# Altium PCB Evaluation Board.PcbDoc (part 1 of 22) (continued)
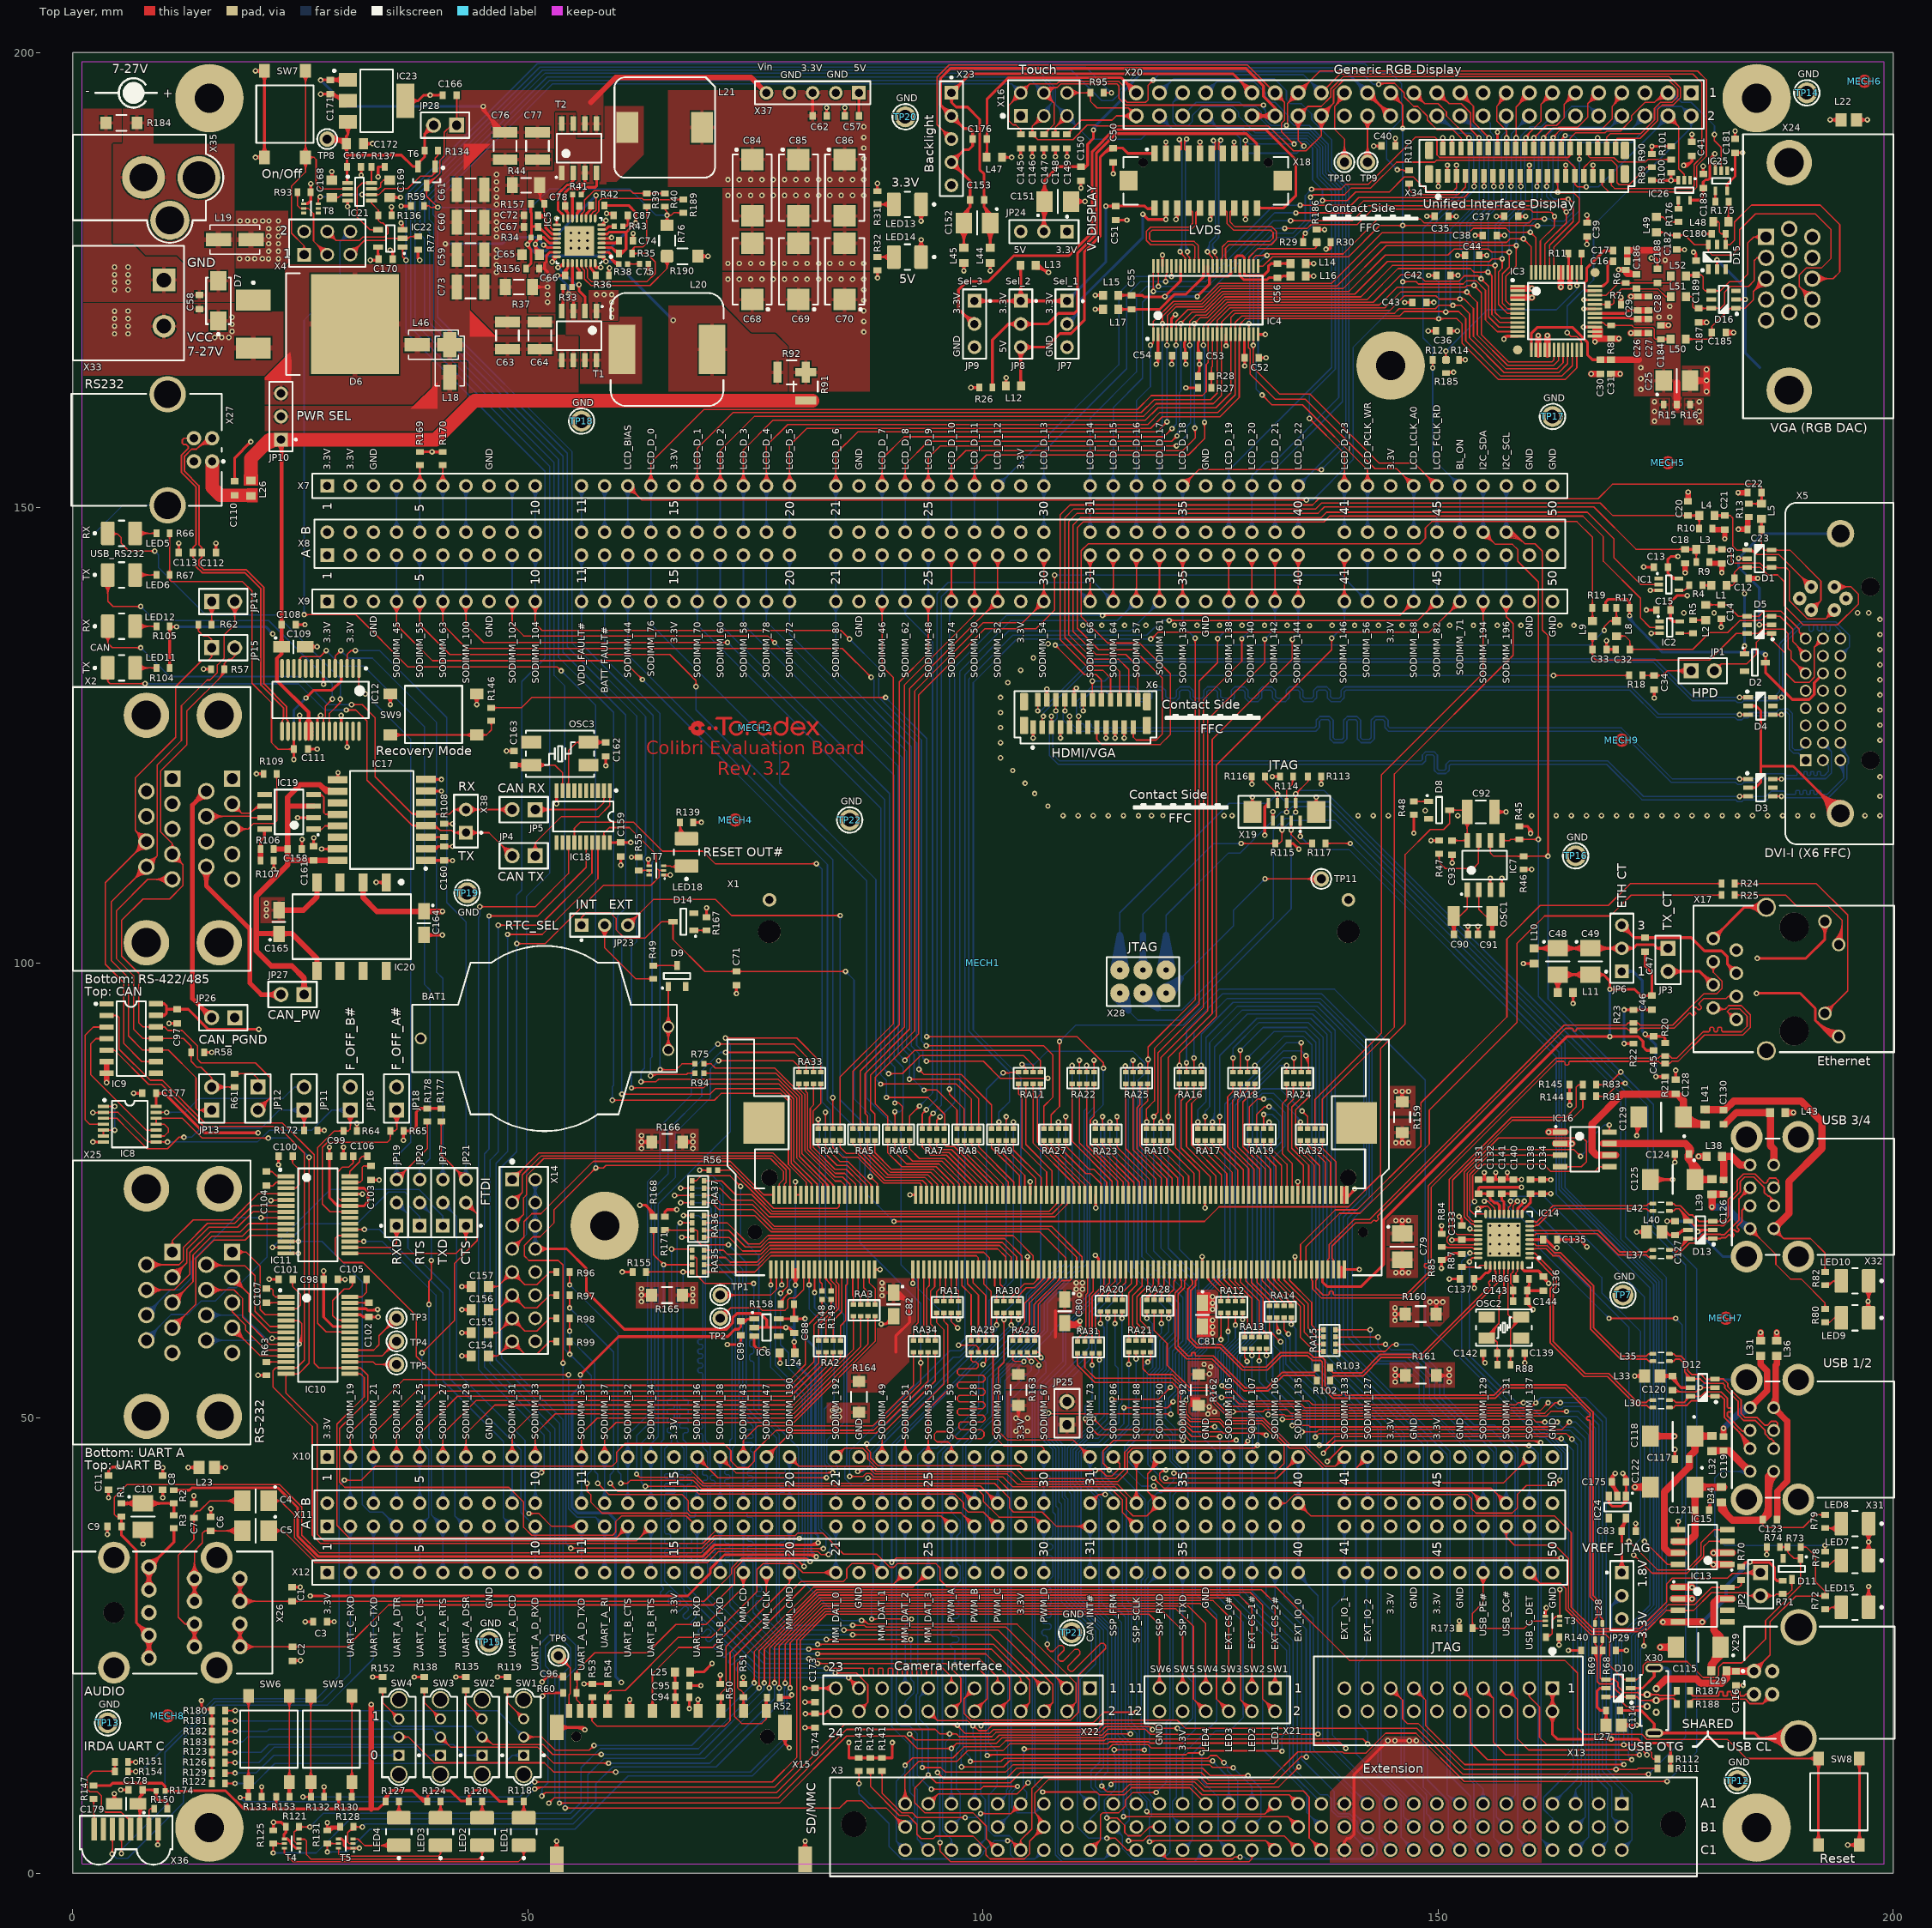
[diagram p0: Top Layer view]
## Components (designator, comment, footprint, x,y, rotation, side; value= is the part's Value field where it differs from the comment) (continued)
C164 "4.7uF" T_CAPMP3216X180N 38.564,104.364 r270 top
C165 "1uF" T_CAPMP3216X180N 22.635,104.489 r90 top
C166 "1uF" T_CAPC0603X33N 41.402,195.326 r0 top
C167 "100nF" T_CAPC0603X33N 30.891,187.452 r180 top
C168 "330nF" T_CAPC0805X125N 28.448,185.034 r270 top
C169 "330nF" T_CAPC0805X125N 34.798,185.034 r90 top
C170 "100nF" T_CAPC0603X33N 34.366,177.292 r0 top
C171 "100nF" T_CAPC0603X33N 28.294,196.219 r90 top
C172 "10uF" T_CAPC0805X125N 30.988,189.992 r180 top
C173 "100nF" T_CAPC0603X33N 81.534,19.558 r90 top
C174 "100nF" T_CAPC0603X33N 81.534,16.764 r90 top
C175 "1uF" T_CAPC0603X33N 169.87,43.008 r0 top
C176 "100nF" T_CAPC0603X33N 99.625,190.5 r0 top
C177 "100nF" T_CAPC0603X33N 8.369,85.675 r0 top
C178 "100nF" T_CAPC0603X33N 6.867,9.144 r0 top
C179 "4.7uF" T_CAPMP3216X180N 5.842,7.62 r180 top
C180 "47pF" T_CAPC0603X33N 180.814,180.086 r180 top
C181 "100nF" T_CAPC0603X33N 182.626,189.767 r270 top
C182 "47pF" T_CAPC0603X33N 176.225,179.125 r270 top
C183 "100nF" T_CAPC0603X33N 179.12,185.899 r270 top
C184 "10pF" T_CAPC0603X33N 174.475,169.268 r90 top
C185 "10pF" T_CAPC0603X33N 180.848,169.252 r0 top
C186 "10pF" T_CAPC0603X33N 171.803,174.85 r90 top
C187 "10pF" T_CAPC0603X33N 178.641,171.126 r270 top
C188 "10pF" T_CAPC0603X33N 174.089,175.467 r90 top
C189 "10pF" T_CAPC0603X33N 178.316,176.351 r90 top
D1 "RCLAMP0504S" T_SOT95P285X90-6N 185.291,144.4 r0 top
D2 "BAT54" SOT95P230X110-3N 184.816,132.997 r0 top
D3 "RCLAMP0504S" T_SOT95P285X90-6N 185.42,119.245 r0 top
D4 "RCLAMP0504S" T_SOT95P285X90-6N 185.42,128.217 r0 top
D5 "RCLAMP0504S" T_SOT95P285X90-6N 185.291,137.137 r180 top
D6 "MBRB735PBF" T_VISHAY_MBRB735PBF 25.4,170.18 r0 top locked
D7 "D-Littelfuse-SMAJ30CA-Schottky" T_LITTLEFUSE_SMAJ30CA 15.979,172.72 r90 top
D8 "BAT54" SOT95P230X110-3N 150.114,116.782 r0 top
D9 "BAT54" SOT95P230X110-3N 66.366,98.552 r90 top
D10 "RCLAMP0504S" T_SOT95P285X90-6N 169.796,20.319 r180 top
D11 "BAT54" SOT95P230X110-3N 188.856,33.431 r270 top
D12 "RCLAMP0504S" T_SOT95P285X90-6N 179.07,53.34 r180 top locked
D13 "RCLAMP0504S" T_SOT95P285X90-6N 178.816,70.663 r180 top locked
D14 "BAT54" SOT95P230X110-3N 67.081,104.521 r180 top
D15 "RCLAMP0504S" T_SOT95P285X90-6N 180.639,177.546 r90 top
D16 "RCLAMP0504S" T_SOT95P285X90-6N 181.356,172.876 r180 top
IC1 "SN74LVC1G17" SOT65P210X110-5N 175.334,141.57 r0 top
IC2 "SN74LVC1G17" SOT65P210X110-5N 175.434,136.852 r0 top
IC3 "ADV7125KSTZ140" QFP50P900X900X120-48N 162.981,171.592 r0 top locked
IC4 "DS90C363BMT" SOP50P810X120-48N 124.46,172.796 r90 top locked
IC5 "TPS51120" QFN50P500X500X100-33N 55.626,179.324 r180 top locked
IC6 "NCP511SN33T1G" SOT95P279X142-5N 76.2,59.944 r0 top locked
IC7 "M41T0M6" SOIC127P600X173-8N 155.092,110.736 r90 top
IC8 "M74HC02TTR" T_ST_M74HC02TTR 6.244,82.275 r0 top
IC9 "ADM3491ARZ" SOIC127P600X175-14N 6.405,91.689 r0 top
IC10 "SN65C3243" SOP65P780X200-28N 26.919,59.081 r0 top
IC11 "SN65C3243" SOP65P780X200-28N 26.919,72.32 r0 top
IC12 "FT232RL" T_FTDI_FT232RL 27.2,128.896 r270 top locked
IC13 "TPS2042BD" SOIC127P600X173-8N 179.07,29.494 r0 top
IC14 "USB2514B" T_SMSC_USB2514B-AEZC 157.227,69.595 r180 top locked
IC15 "TPS2052BD" SOIC127P600X173-8N 179.07,35.814 r180 top locked
IC16 "TPS2052BD" SOIC127P600X173-8N 166.116,79.502 r0 top
IC17 "ADuM1301ARW" T_AD_ADUM1300ARW 33.933,115.697 r180 top
IC18 "MCP2515" T_MC_MCP2515T-I/ST 56.066,116.078 r180 top
IC19 "MCP2551T-I/SN" SOIC127P600X173-8N 23.747,116.586 r180 top
IC20 "NTE0505MC-R" T_MURATA_NTE0505MC-R 30.624,103.973 r270 top
IC21 "LTC2954CTS8-2#PBF" T_LINEAR_LTC2954CTS8-2#PBF 31.496,184.709 r270 top
IC22 "NC7SZ126M5X" SOT95P279X142-5N 34.874,179.578 r180 top
IC23 "NCV4264-2ST50T3G" T_ON_NCV4264-2ST50T3G 33.366,194.695 r0 top
IC24 "NCP603SN180T1G" T_ON_NCP603SN180T1G 169.695,40.214 r270 top
IC25 "SN74LVC1G17" SOT65P210X110-5N 181.102,185.901 r270 top
IC26 "SN74LVC1G17" SOT65P210X110-5N 177.038,184.885 r270 top
JP1 "TSW-101-07-G-D" T_Samtec_TSW-101-07-G-D 177.8,132.08 r270 top
JP2 "TSW-101-07-G-D" T_Samtec_TSW-101-07-G-D 185.42,33.02 r180 top
JP3 "TSW-101-07-G-D" T_Samtec_TSW-101-07-G-D 175.26,101.6 r180 top
JP4 "TSW-101-07-G-D" T_Samtec_TSW-101-07-G-D 50.8,111.76 r90 top
JP5 "TSW-101-07-G-D" T_Samtec_TSW-101-07-G-D 50.8,116.84 r90 top
JP6 "826936-3" T_TYCO_826936-3 170.18,99.06 r90 top
JP7 "826936-3" T_TYCO_826936-3 109.22,172.72 r270 top
JP8 "826936-3" T_TYCO_826936-3 104.14,172.72 r270 top
JP9 "826936-3" T_TYCO_826936-3 99.06,172.72 r270 top
JP10 "826936-3" T_TYCO_826936-3 22.86,157.48 r90 top
JP11 "TSW-101-07-G-D" T_SAMTEC_TSW-101-07-G-D 25.4,83.82 r0 top
JP12 "TSW-101-07-G-D" T_SAMTEC_TSW-101-07-G-D 20.32,86.36 r180 top
JP13 "TSW-101-07-G-D" T_SAMTEC_TSW-101-07-G-D 15.24,83.82 r0 top
JP14 "TSW-101-07-G-D" T_SAMTEC_TSW-101-07-G-D 15.24,139.7 r270 top
JP15 "TSW-101-07-G-D" T_SAMTEC_TSW-101-07-G-D 15.24,134.62 r270 top
JP16 "TSW-101-07-G-D" T_SAMTEC_TSW-101-07-G-D 30.48,83.82 r0 top
JP17 "826936-3" T_TYCO_826936-3 40.64,71.12 r90 top
JP18 "TSW-101-07-G-D" T_SAMTEC_TSW-101-07-G-D 35.56,83.82 r0 top
JP19 "826936-3" T_TYCO_826936-3 35.56,71.12 r90 top
JP20 "826936-3" T_TYCO_826936-3 38.1,71.12 r90 top
JP21 "826936-3" T_TYCO_826936-3 43.18,71.12 r90 top
JP23 "826936-3" T_TYCO_826936-3 55.88,104.14 r0 top
JP24 "826936-3" T_TYCO_826936-3 109.22,180.34 r180 top
JP25 "TSW-101-07-G-D" T_SAMTEC_TSW-101-07-G-D 109.22,49.254 r0 top locked
JP26 "TSW-101-07-G-D" T_Samtec_TSW-101-07-G-D 17.78,93.98 r90 top
JP27 "TSW-101-07-G-D" T_Samtec_TSW-101-07-G-D 25.4,96.52 r90 top
JP28 "TSW-101-07-G-D" T_SAMTEC_TSW-101-07-G-D 42.164,192.024 r90 top
JP29 "826936-3" T_TYCO_826936-3 170.18,33.02 r270 top
L1 "220R@100MHz" INDC1608X95N 180.848,141.478 r0 top
L2 "220R@100MHz" INDC1608X95N 179.395,138.492 r90 top
L3 "40R@100MHz" INDC1608X95N 179.198,145.432 r0 top
L4 "40R@100MHz" INDC1608X95N 179.523,149.135 r0 top
L5 "40R@100MHz" INDC1608X95N 185.541,149.602 r270 top
L8 "220R@100MHz" INDC1608X95N 169.579,136.721 r270 top
L9 "220R@100MHz" INDC1608X95N 166.948,136.721 r270 top
L10 "220R@100MHz" INDC1608X95N 160.561,100.762 r90 top
L11 "220R@100MHz" INDC1608X95N 163.984,96.749 r180 top
L12 "220R@100MHz" INDC1608X95N 103.34,163.375 r0 top
L13 "220R@100MHz" INDC1608X95N 104.94,176.637 r180 top
L14 "220R@100MHz" INDC1608X95N 134.62,176.829 r0 top
L15 "220R@100MHz" INDC1608X95N 114.021,173.343 r180 top
L16 "220R@100MHz" INDC1608X95N 134.62,175.454 r180 top
L17 "220R@100MHz" INDC1608X95N 114.021,171.793 r0 top
L18 "36R@100MHz" T_LAIRD_35F0121-0SR-10 41.402,166.116 r90 top
L19 "36R@100MHz" T_LAIRD_35F0121-0SR-10 17.78,179.456 r0 top
L20 "8.2uH" T_INDM120120X80N 65.278,167.386 r270 top locked
L21 "4.7uH" T_INDM102102X45N 65.024,191.77 r270 top locked
L22 "39R@100MHz" INDC2013X130N 195.115,192.615 r0 top
L23 "39R@100MHz" INDC2013X130N 14.706,44.573 r0 top
L24 "220R@100MHz" INDC1608X95N 78.486,57.15 r180 top
L25 "220R@100MHz" INDC1608X95N 66.976,22.098 r0 top
L26 "220R@100MHz" INDC1608X95N 19.558,152.14 r90 top
L27 "39R@100MHz" INDC2013X130N 169.296,16.256 r0 top
L28 "90R@100MHz" T_MURATA_DLW21SN900SQ2 167.64,26.544 r270 top
L29 "220R@100MHz" INDC1608X95N 180.848,22.244 r0 top
L30 "90R@100MHz" T_MURATA_DLW21SN900SQ2 174.498,51.562 r0 top
L31 "220R@100MHz" INDC1608X95N 185.42,57.658 r270 top
L32 "220R@100MHz" INDC1608X95N 180.086,47.206 r270 top
L33 "39R@100MHz" INDC2013X130N 173.527,54.61 r0 top
L34 "220R@100MHz" INDC1608X95N 181.123,41.578 r270 top
L35 "90R@100MHz" T_MURATA_DLW21SN900SQ2 174.498,56.642 r0 top
L36 "220R@100MHz" INDC1608X95N 187.198,57.658 r270 top
L37 "90R@100MHz" T_MURATA_DLW21SN900SQ2 174.498,68.072 r0 top
L38 "220R@100MHz" INDC1608X95N 180.34,78.74 r0 top
L39 "220R@100MHz" INDC1608X95N 180.086,75.4 r270 top
L40 "39R@100MHz" INDC2013X130N 173.736,70.433 r0 top
L41 "220R@100MHz" INDC1608X95N 179.324,83.058 r90 top
L42 "90R@100MHz" T_MURATA_DLW21SN900SQ2 174.498,73.152 r0 top
L43 "220R@100MHz" INDC1608X95N 187.31,83.557 r180 top
L44 "220R@100MHz" INDC1608X95N 100.789,177.724 r90 top
L45 "220R@100MHz" INDC1608X95N 97.889,177.724 r90 top
L46 "36R@100MHz" T_LAIRD_35F0121-0SR-10 39.624,167.894 r0 top
L47 "220R@100MHz" INDC1608X95N 101.238,188.488 r180 top
L48 "220R@100MHz" INDC1608X95N 181.062,181.406 r180 top
L49 "220R@100MHz" INDC1608X95N 173.99,181.102 r270 top
L50 "40R@100MHz" INDC1608X95N 176.375,168.506 r0 top
L51 "40R@100MHz" INDC1608X95N 176.395,173.197 r0 top
L52 "40R@100MHz" INDC1608X95N 176.395,175.454 r0 top
LED1 "LG T670-K1L2-1" T_OSRAM_T670_GREEN 49.53,4.572 r270 top
LED2 "LG T670-K1L2-1" T_OSRAM_T670_GREEN 44.958,4.572 r270 top
LED3 "LG T670-K1L2-1" T_OSRAM_T670_GREEN 40.386,4.572 r270 top
LED4 "LG T670-K1L2-1" T_OSRAM_T670_GREEN 35.814,4.572 r270 top
LED5 "LG T670-K1L2-1" T_OSRAM_T670_GREEN 5.334,147.187 r180 top
LED6 "LS T670-K1L2-1" T_OSRAM_T670_RED 5.334,142.615 r180 top
LED7 "LG T670-K1L2-1" T_OSRAM_T670_GREEN 195.794,34.355 r0 top
LED8 "LG T670-K1L2-1" T_OSRAM_T670_GREEN 195.794,38.396 r0 top
LED9 "LG T670-K1L2-1" T_OSRAM_T670_GREEN 195.794,61.002 r0 top
LED10 "LG T670-K1L2-1" T_OSRAM_T670_GREEN 195.794,65.066 r0 top
LED11 "LS T670-K1L2-1" T_OSRAM_T670_RED 5.334,132.404 r180 top
LED12 "LG T670-K1L2-1" T_OSRAM_T670_GREEN 5.334,136.976 r180 top
LED13 "LG T670-K1L2-1" T_OSRAM_T670_GREEN 91.694,183.326 r0 top
LED14 "LG T670-K1L2-1" T_OSRAM_T670_GREEN 91.694,177.538 r0 top
LED15 "LG T670-K1L2-1" T_OSRAM_T670_GREEN 195.794,29.21 r0 top
LED18 "LS T670-K1L2-1" T_OSRAM_T670_RED 67.412,112.141 r270 top
MECH1 "MECH-PCB" PCB 0,0 r0 top locked
MECH2 "MECH-Toradex_Logo" T_TORADEX_LOGO 74.97,125.822 r0 top
MECH4 "MECH-Fiducial" T_FIDUCIAL 72.771,115.697 r90 top
MECH5 "MECH-Fiducial" T_FIDUCIAL 175.26,154.94 r90 top
MECH6 "MECH-Fiducial" T_FIDUCIAL 196.85,196.85 r90 top
MECH7 "MECH-Fiducial" T_Fiducial 181.61,60.96 r90 top
MECH8 "MECH-Fiducial" T_FIDUCIAL 10.414,17.272 r90 top
MECH9 "MECH-Fiducial" T_FIDUCIAL 170.18,124.46 r90 top
OSC1 "CC4V-T1A" T_MC_CC4V-T1A 153.822,105.148 r180 top
OSC2 "HEX24-24000MHz-18-50R-F-H2-T2-W2-T" T_HORIZON-HEX24 157.227,59.932 r0 top
OSC3 "12SMX (B) 30/5020/16" T_RAKON_12SMX 53.502,122.977 r180 top
R1 "2.2K" T_RESC0603X30N 5.334,39.898 r270 top
R2 "100R" T_RESC0603X30N 11.093,41.348 r90 top
R3 "2.2K" T_RESC0603X30N 11.093,38.608 r270 top
R4 "33R" T_RESC0603X30N 178.308,141.478 r0 top
R5 "33R" T_RESC0603X30N 177.99,136.927 r90 top
R6 "75R" T_RESC0603X30N 170.597,175.417 r270 top
R7 "75R" T_RESC0603X30N 169.367,172.329 r180 top
R8 "75R" T_RESC0603X30N 168.99,169.306 r90 top
R9 "150R" T_RESC0603X30N 179.083,144.016 r0 top
R10 "150R" T_RESC0603X30N 179.408,147.719 r0 top
R11 "560R" T_RESC0603X30N 165.013,177.942 r0 top
R12 "0R" T_RESC0603X30N 150.125,166.25 r0 top
R13 "150R" T_RESC0603X30N 184.125,149.717 r270 top
R14 "100K" T_RESC0603X30N 151.575,166.25 r180 top
R15 "0R" T_RESC0603X30N 175.5,161.32 r0 top
R16 "0R" T_RESC0603X30N 176.95,161.32 r180 top
R17 "1.8K" T_RESC0603X30N 170.304,139.007 r180 top
R18 "1K" T_RESC0603X30N 171.704,131.572 r0 top
R19 "1.8K" T_RESC0603X30N 167.673,139.007 r180 top
R20 "50R" T_RESC0603X30N 174.928,90.49 r270 top
R21 "50R" T_RESC0603X30N 174.928,88.23 r270 top
R22 "50R" T_RESC0603X30N 171.45,91.862 r90 top
R23 "50R" T_RESC0603X30N 171.45,94.122 r90 top
R24 "150R" T_RESC0603X30N 181.864,108.712 r0 top
R25 "150R" T_RESC0603X30N 181.864,107.442 r0 top
R26 "0R" T_RESC0603X30N 100.293,163.2 r0 top
R27 "0R" T_RESC0603X30N 124.364,163.17 r180 top
R28 "1K" T_RESC0603X30N 124.364,164.44 r0 top
R29 "0R" T_RESC0603X30N 135.89,179.172 r0 top
R30 "0R" T_RESC0603X30N 137.44,179.172 r180 top
R31 "120R" T_RESC0603X30N 88.392,184.051 r270 top
R32 "220R" T_RESC0603X30N 88.392,176.807 r90 top
R33 "4.7R" RESC1005X40N 54.356,174.244 r180 top
R34 "4.7R" RESC1005X40N 50.8,179.708 r0 top
R35 "100K" T_RESC0603X30N 60.706,177.931 r180 top
R36 "0R" T_RESC0603X30N 58.166,175.514 r180 top
R37 "15mR" RESC3316X76N 48.997,174.244 r180 top
R38 "6.2K" RESC1005X40N 60.452,176.784 r180 top
R39 "0R" T_RESC0603X30N 63.05,183.81 r90 top
R40 "0R" T_RESC0603X30N 65.024,183.81 r90 top
R41 "4.7R" RESC1005X40N 55.372,184.404 r0 top
R42 "100K" T_RESC0603X30N 57.658,183.209 r0 top
R43 "10K" RESC1005X40N 59.944,180.9 r180 top
R44 "24mR" RESC3316X76N 49.784,185.42 r180 top
R45 "4.7K" T_RESC0603X30N 158.902,114.292 r90 top
R46 "4.7K" T_RESC0603X30N 159.377,110.99 r270 top
R47 "100K" T_RESC0603X30N 150.114,112.711 r90 top
R48 "470R" T_RESC0603X30N 147.32,117.007 r270 top
R49 "10R" T_RESC0603X30N 63.754,98.977 r270 top
R50 "33K" T_RESC0603X30N 71.12,20.066 r90 top
R51 "68K" T_RESC0603X30N 73.66,20.066 r90 top
R52 "68K" T_RESC0603X30N 76.962,19.304 r0 top
R53 "68K" T_RESC0603X30N 57.056,20.066 r90 top
R54 "68K" T_RESC0603X30N 58.756,20.066 r90 top
R55 "100K" T_RESC0603X30N 62.151,110.888 r90 top
R56 "22R" RESC1005X40N 70.358,77.216 r180 top
R57 "680R" T_RESC0603X30N 15.916,132.275 r180 top
R58 "680R" T_RESC0603X30N 13.706,90.175 r180 top
R59 "10K" T_RESC0603X30N 37.846,183.134 r0 top
R60 "10K" T_RESC0603X30N 54.61,19.812 r180 top
R61 "120R" T_RESC0603X30N 17.78,87.085 r90 top
R62 "120R" T_RESC0603X30N 14.515,137.16 r180 top
R63 "100K" T_RESC0603X30N 21.247,55.431 r90 top
R64 "100K" T_RESC0603X30N 30.48,81.534 r0 top
R65 "100K" T_RESC0603X30N 35.596,81.534 r180 top
R66 "120R" T_RESC0603X30N 9.906,147.187 r0 top
R67 "120R" T_RESC0603X30N 9.906,142.615 r0 top
R68 "15K" T_RESC0603X30N 168.808,24.475 r180 top
R69 "15K" T_RESC0603X30N 166.446,24.475 r0 top
R70 "100K" T_RESC0603X30N 183.302,32.941 r90 top
R71 "100K" T_RESC0603X30N 187.84,31.399 r270 top
R72 "330R" T_RESC0603X30N 192.503,29.718 r90 top
R73 "560R" T_RESC0603X30N 189.11,35.819 r0 top
R74 "1K" T_RESC0603X30N 186.824,35.819 r0 top
R75 "22R" RESC1005X40N 68.834,88.9 r180 top
R76 "0R" T_RESC3216X760N 65.278,179.324 r270 top
R77 "100K" T_RESC0603X30N 37.922,179.07 r270 top
R78 "330R" T_RESC0603X30N 192.503,34.609 r90 top
R79 "330R" T_RESC0603X30N 192.503,38.65 r90 top
R80 "330R" T_RESC0603X30N 192.503,61.256 r90 top
R81 "0R" T_RESC0603X30N 166.623,85.345 r180 top
R82 "330R" T_RESC0603X30N 192.503,65.32 r90 top
R83 "0R" T_RESC0603X30N 166.623,86.615 r180 top
R84 "100K" T_RESC0603X30N 150.368,69.522 r90 top
R85 "100K" T_RESC0603X30N 150.368,68.072 r270 top
R86 "12K" T_RESC0603X30N 159.259,65.266 r180 top
R87 "100K" T_RESC0603X30N 152.612,67.31 r270 top
R88 "1MR" T_RESC0603X30N 157.227,55.868 r0 top
R89 "0R" T_RESC0603X30N 173.482,186.69 r270 top
R90 "0R" T_RESC0603X30N 173.482,188.14 r270 top
R91 "0R" T_RESC3225X30N 80.51,163.322 r90 top
R92 "0R" T_RESC3225X30N 78.96,164.872 r0 top
R93 "100K" T_RESC0603X30N 25.4,184.658 r180 top
R94 "22R" RESC1005X40N 68.834,87.884 r180 top
R95 "0R" T_RESC0603X30N 112.522,195.58 r180 top
R96 "10K" T_RESC0603X30N 53.848,66.04 r180 top
R97 "10K" T_RESC0603X30N 53.848,63.5 r180 top
R98 "10K" T_RESC0603X30N 53.848,60.96 r180 top
R99 "10K" T_RESC0603X30N 53.848,58.42 r180 top
R100 "0R" T_RESC0603X30N 175.626,187.526 r270 top
R101 "0R" T_RESC0603X30N 175.626,188.976 r90 top
R102 "0R" T_RESC0603X30N 137.414,54.1 r0 top
R103 "0R" T_RESC0603X30N 137.414,55.529 r0 top
R104 "120R" T_RESC0603X30N 9.906,132.404 r180 top
R105 "120R" T_RESC0603X30N 9.906,136.976 r180 top
R106 "0R" T_RESC0603X30N 21.342,112.505 r0 top
R107 "0R" T_RESC0603X30N 21.342,111.235 r180 top
R108 "100K" T_RESC0603X30N 40.791,114.554 r90 top
R109 "100R" T_RESC0603X30N 21.675,120.775 r180 top
R110 "0R" T_RESC0603X30N 146.812,186.324 r270 top
R111 "100K" T_RESC0603X30N 174.808,11.514 r0 top
R112 "100K" T_RESC0603X30N 174.808,12.53 r0 top
R113 "100K" T_RESC0603X30N 136.419,120.467 r180 top
R114 "100K" T_RESC0603X30N 133.335,120.467 r0 top
R115 "100K" T_RESC0603X30N 132.842,113.113 r180 top
R116 "100K" T_RESC0603X30N 130.252,120.467 r0 top
R117 "22R" T_RESC0603X30N 136.881,113.113 r180 top
R118 "120R" T_RESC0603X30N 48.805,7.874 r180 top
R119 "100R" T_RESC0603X30N 47.752,20.828 r90 top
R120 "120R" T_RESC0603X30N 44.233,7.874 r180 top
R121 "100K" T_RESC0603X30N 24.13,5.08 r0 top
R122 "100R" T_RESC0603X30N 15.986,9.859 r0 top
R123 "100R" T_RESC0603X30N 15.986,13.287 r0 top
R124 "120R" T_RESC0603X30N 39.661,7.874 r180 top
R125 "100K" T_RESC0603X30N 21.996,3.976 r270 top
R126 "100R" T_RESC0603X30N 15.986,12.144 r0 top
R127 "120R" T_RESC0603X30N 35.089,7.874 r180 top
R128 "100K" T_RESC0603X30N 30.1,5.08 r0 top
R129 "100R" T_RESC0603X30N 15.986,11.001 r0 top
R130 "10R" T_RESC0603X30N 29.921,8.382 r180 top
R131 "100K" T_RESC0603X30N 27.94,3.976 r270 top
R132 "10K" T_RESC0603X30N 26.873,8.382 r180 top
R133 "10K" T_RESC0603X30N 20.015,8.382 r180 top
R134 "100K" T_RESC0603X30N 39.37,189.23 r180 top
R135 "100R" T_RESC0603X30N 43.18,20.828 r90 top
R136 "10K" T_RESC0603X30N 34.29,182.118 r180 top
R137 "10K" T_RESC0603X30N 33.528,187.452 r180 top
R138 "100R" T_RESC0603X30N 38.608,20.828 r90 top
R139 "120R" T_RESC0603X30N 67.412,115.443 r0 top
R140 "100K" T_RESC0603X30N 162.56,25.937 r0 top
R141 "100K" T_RESC0603X30N 88.9,11.938 r90 top
R142 "100K" T_RESC0603X30N 87.63,11.938 r90 top
R143 "100K" T_RESC0603X30N 86.36,11.938 r90 top
R144 "100K" T_RESC0603X30N 165.173,85.345 r180 top
R145 "100K" T_RESC0603X30N 165.173,86.615 r180 top
R146 "10K" T_RESC0603X30N 45.974,127.305 r90 top
R147 "22R" T_RESC0603X30N 2.278,8.89 r270 top
R148 "22R" RESC1005X40N 82.296,63.5 r270 top
R149 "22R" RESC1005X40N 83.312,63.5 r270 top
R150 "0R" T_RESC0603X30N 9.652,7.087 r180 top
R151 "100K" T_RESC0603X30N 5.334,12.209 r180 top
R152 "100R" T_RESC0603X30N 34.036,20.828 r90 top
R153 "10R" T_RESC0603X30N 23.063,8.382 r180 top
R154 "0R" T_RESC0603X30N 5.334,11.193 r0 top
R155 "100K" T_RESC0603X30N 62.23,66.05 r180 top
R156 "3.6K" T_RESC0603X30N 50.521,176.268 r180 top
R157 "3.3K" T_RESC0603X30N 51.054,183.388 r180 top
R158 "0R" T_RESC0603X30N 78.486,62.484 r180 top
R159 "0R" T_RESC3216X760N 146.05,83.058 r270 top
R160 "0R" T_RESC3216X760N 148.074,61.418 r180 top
R161 "0R" T_RESC3216X760N 148.097,54.675 r180 top
R162 "0R" T_RESC3216X760N 123.698,53.086 r90 top
R163 "0R" T_RESC3216X760N 103.886,53.086 r90 top
R164 "0R" T_RESC3216X760N 86.36,52.324 r90 top
R165 "0R" T_RESC3216X760N 65.278,63.5 r0 top
R166 "0R" T_RESC3216X760N 65.3,80.325 r0 top
R167 "0R" T_RESC0603X30N 69.621,104.296 r270 top
R168 "100K" T_RESC0603X30N 63.8,71.374 r90 top
R169 "100K" T_RESC0603X30N 38.125,155.397 r90 top
R170 "100K" T_RESC0603X30N 40.64,155.397 r90 top
R171 "100K" T_RESC0603X30N 65.024,71.375 r90 top
R172 "100K" T_RESC0603X30N 26.125,81.606 r180 top
R173 "100K" T_RESC0603X30N 153.05,26.899 r0 top
R174 "4.7R" RESC1005X40N 9.644,9.019 r180 top
R175 "33R" t_RESC0603X30N 181.177,183.642 r0 top
R176 "33R" t_RESC0603X30N 176.388,182.118 r270 top
R177 "1MR" T_RESC0603X30N 40.462,83.287 r90 top
R178 "1MR" T_RESC0603X30N 38.938,83.287 r90 top
R180 "100K" T_RESC0603X30N 16.002,17.857 r0 top
R181 "100K" T_RESC0603X30N 16.002,16.714 r0 top
R182 "100K" T_RESC0603X30N 16.002,15.572 r0 top
R183 "100K" T_RESC0603X30N 16.002,14.429 r0 top
R184 "0R" T_RESC3216X760N 5.334,192.278 r0 top
R185 "0R" t_RESC0603X30N 150.85,165.525 r90 top
R186 "0R" t_RESC0603X30N 136.652,179.832 r270 top
R187 "0R" T_RESC0603X30N 176.939,20.028 r0 top
R188 "0R" T_RESC0603X30N 176.939,18.599 r0 top
R189 "0R" T_RESC0603X30N 67.056,183.134 r90 top
R190 "0R" T_RESC3216X760N 66.978,177.624 r180 top
RA1 "22R" T_RESISTOR_ARRAY_X4 97.282,62.84 r270 top
RA2 "22R" T_RESISTOR_ARRAY_X4 84.328,58.522 r270 top
RA3 "22R" T_RESISTOR_ARRAY_X4 88.138,62.484 r270 top
RA4 "22R" T_RESISTOR_ARRAY_X4 81.89,80.493 r90 top
RA5 "22R" T_RESISTOR_ARRAY_X4 85.7,80.493 r90 top
RA6 "22R" T_RESISTOR_ARRAY_X4 89.51,80.493 r90 top
RA7 "22R" T_RESISTOR_ARRAY_X4 93.32,80.493 r90 top
RA8 "22R" T_RESISTOR_ARRAY_X4 97.13,80.493 r90 top
RA9 "22R" T_RESISTOR_ARRAY_X4 100.94,80.493 r90 top
RA10 "22R" T_RESISTOR_ARRAY_X4 117.958,80.493 r90 top
RA11 "22R" T_RESISTOR_ARRAY_X4 103.886,86.69 r90 top
RA12 "22R" T_RESISTOR_ARRAY_X4 128.524,62.84 r270 top
RA13 "22R" T_RESISTOR_ARRAY_X4 131.14,58.903 r270 top
RA14 "22R" T_RESISTOR_ARRAY_X4 133.858,62.332 r270 top
RA15 "22R" T_RESISTOR_ARRAY_X4 137.414,59.715 r0 top
RA16 "22R" T_RESISTOR_ARRAY_X4 121.564,86.69 r90 top
RA17 "22R" T_RESISTOR_ARRAY_X4 123.596,80.493 r90 top
RA18 "22R" T_RESISTOR_ARRAY_X4 127.457,86.69 r90 top
RA19 "22R" T_RESISTOR_ARRAY_X4 129.235,80.493 r90 top
RA20 "22R" T_RESISTOR_ARRAY_X4 115.291,62.992 r270 top
RA21 "22R" T_RESISTOR_ARRAY_X4 118.415,58.522 r270 top
RA22 "22R" T_RESISTOR_ARRAY_X4 109.779,86.69 r90 top
RA23 "22R" T_RESISTOR_ARRAY_X4 112.319,80.493 r90 top
RA24 "22R" T_RESISTOR_ARRAY_X4 133.35,86.69 r90 top
RA25 "22R" T_RESISTOR_ARRAY_X4 115.672,86.69 r90 top
RA26 "22R" T_RESISTOR_ARRAY_X4 105.664,58.522 r270 top
RA27 "22R" T_RESISTOR_ARRAY_X4 106.68,80.493 r90 top
RA28 "22R" T_RESISTOR_ARRAY_X4 120.396,62.992 r270 top
RA29 "22R" T_RESISTOR_ARRAY_X4 101.092,58.522 r270 top
RA30 "22R" T_RESISTOR_ARRAY_X4 103.886,62.84 r270 top
RA31 "22R" T_RESISTOR_ARRAY_X4 112.776,58.42 r270 top
RA32 "22R" T_Resistor_Array_X4 134.874,80.493 r90 top
RA33 "22R" T_Resistor_Array_X4 79.756,86.69 r90 top
RA34 "22R" T_Resistor_Array_X4 94.742,58.522 r270 top
RA35 "22R" T_Resistor_Array_X4 69.342,66.04 r180 top
RA36 "22R" T_Resistor_Array_X4 69.342,69.85 r180 top
RA37 "22R" T_Resistor_Array_X4 69.342,73.66 r180 top
SW1 "SS-12D01-VG2" T_SEE-PLUS_SS-12D01-VG2 49.53,12.954 r90 top locked
SW2 "SS-12D01-VG2" T_SEE-PLUS_SS-12D01-VG2 44.958,12.954 r90 top locked
SW3 "SS-12D01-VG2" T_SEE-PLUS_SS-12D01-VG2 40.386,12.954 r90 top locked
SW4 "SS-12D01-VG2" T_SEE-PLUS_SS-12D01-VG2 35.814,12.954 r90 top locked
SW5 "TD-03XG" T_WMF_TD-03XG 28.397,14.732 r270 top
SW6 "TD-03XG" T_WMF_TD-03XG 21.539,14.732 r270 top
SW7 "TD-03XG" T_WMF_TD-03XG 23.299,193.246 r90 top
SW8 "TD-03XG" T_WMF_TD-03XG 194.033,7.845 r270 top locked
SW9 "TD-03XG" T_WMF_TD-03XG 39.624,127.291 r0 top
T1 "FDS6982AS" SOIC127P600X173-8N 55.626,168.91 r270 top locked
T2 "FDS6982AS" SOIC127P600X173-8N 55.626,189.484 r90 top locked
T3 "T-Vishay-SI-1024X-N" SOTFL50P160X60-6N 162.56,27.715 r0 top
T4 "T-Vishay-SI-1024X-N" SOTFL50P160X60-6N 24.028,3.251 r180 top
T5 "T-Vishay-SI-1024X-N" SOTFL50P160X60-6N 29.972,3.251 r180 top
T6 "IRLML6401PbF" SOT95P237X112-3N 38.862,186.436 r270 top
T7 "T-Vishay-SI-1024X-N" SOTFL50P160X60-6N 64.11,110.163 r180 top
T8 "T-Vishay-SI-1024X-N" SOTFL50P160X60-6N 26.162,182.88 r0 top
TP1 "Testpin" T_TP-THT 71.12,63.5 r0 top
TP2 "Testpin" T_TP-THT 71.12,60.96 r0 top
TP3 "Testpin" T_TP-THT 35.56,60.96 r0 top
TP4 "Testpin" T_TP-THT 35.56,58.42 r0 top
TP5 "Testpin" T_TP-THT 35.56,55.88 r0 top
TP6 "Testpin" T_TP-THT 53.34,23.876 r0 top
TP7 "5011" "T_TP-THT - EYE" 170.3,63.5 r0 top
TP8 "Testpin" T_TP-THT 27.94,190.5 r270 top
TP9 "Testpin" T_TP-THT 142.24,187.96 r0 top
TP10 "Testpin" T_TP-THT 139.7,187.96 r90 top locked
TP11 "Testpin" T_TP-THT 137.16,109.22 r90 top
TP12 "5011" "T_TP-THT - EYE" 182.88,10.16 r0 top
TP13 "5011" "T_TP-THT - EYE" 3.81,16.51 r0 top
TP14 "5011" "T_TP-THT - EYE" 190.5,195.58 r0 top
TP15 "5011" "T_TP-THT - EYE" 45.72,25.4 r0 top
TP16 "5011" "T_TP-THT - EYE" 165.1,111.76 r0 top
TP17 "5011" "T_TP-THT - EYE" 162.56,160.02 r0 top
TP18 "5011" "T_TP-THT - EYE" 55.88,159.512 r0 top
TP19 "5011" "T_TP-THT - EYE" 43.307,107.696 r0 top
TP20 "5011" "T_TP-THT - EYE" 91.44,192.95 r0 top
TP21 "5011" "T_TP-THT - EYE" 109.728,26.416 r0 top
TP22 "5011" "T_TP-THT - EYE" 85.344,115.697 r0 top
X1 "CON-Tyco-1473005-1-200-0.6mm" T_TYCO_1473005-1 76.682,66.316 r90 top locked
X2 "178-009-613R571" T_NORCOMP_178-YYY-613R691 0,130 r270 top locked
X3 "UC3X32SD-H" T_AUK_UC3X32SD-H 170.18,7.62 r180 top locked
X4 "TSW-103-01-G-D" T_Samtec_SSW-103-01-G-D 25.4,177.8 r0 top locked
X5 "CON-Molex-74320-1004-31" T_MOLEX_74320-1004 200,113.368 r90 top locked
X6 "FH12-24S-0.5SV(55)" T_Hirose_FH12-24S-0.5SV(55) 111.252,127.392 r0 top locked
X7 "SSW-110-01-G-S" T_SAMTEC_SSW-110-01-G-S 27.94,152.4 r0 top locked
X8 "TSW-110-07-G-D" T_Samtec_TSW-110-07-G-D 27.94,144.78 r0 top locked
X9 "SSW-110-01-G-S" T_SAMTEC_SSW-110-01-G-S 27.94,139.7 r0 top locked
X10 "SSW-110-01-G-S" T_SAMTEC_SSW-110-01-G-S 27.94,45.72 r0 top locked
X11 "TSW-110-07-G-D" T_Samtec_TSW-110-07-G-D 27.94,38.1 r0 top locked
X12 "SSW-110-01-G-S" T_SAMTEC_SSW-110-01-G-S 27.94,33.02 r0 top locked
X13 "SBH11-PBPC-D10-ST-GR" T_SULLINS_SBH11-PBPC-D10-ST-GR 162.56,20.32 r180 top locked
X14 "TSW-108-07-G-D" T_Samtec_TSW-108-07-G-D 48.26,76.2 r270 top
X15 "MicroSD Holder" "T_ AMPHENOL_101-00708-64" 53.086,0.508 r0 top locked
X16 "TSW-103-07-G-D" T_Samtec_TSW-103-07-G-D 104.14,193.04 r0 top
X17 "J00-0065NL" T_PULSE_J00-0065NL 200,90.287 r90 top locked
X18 "CON-Hirose-DF13A-20DP-1.25v(56)-2x10-1mm" T_HIROSE_DF13A-20DP-1.25V(56) 124.46,185.928 r0 top locked
X19 "FFC2A30-08-T-L" T_GCT_FFC2A30-08-T-L 133.096,116.586 r180 top
X20 "TSW-125-07-G-D" T_SAMTEC_TSW-125-07-G-D 177.8,195.58 r180 top locked
X21 "SSW-106-01-G-D" T_Samtec_SSW-106-01-G-D 132.08,20.32 r180 top
X22 "TSW-112-07-G-D" T_Samtec_TSW-112-07-G-D 111.76,20.32 r180 top locked
X23 "961105-6404-AR" T_3M_961105-6404-AR 96.52,195.58 r270 top
X24 "HDR15SN-H" T_AUK_HDR15SN-H 200,160.012 r90 top locked
X25 "178-009-613R571" T_NORCOMP_178-YYY-613R691 0,77.978 r270 top locked
X26 "AUK-PJ3X01RF04B-H" T_AUK_PJ3X01RF04B-H 0,22.025 r0 top locked
X27 "61729-0010BLF" T_FCI_61729-0010BLF 0,150.362 r180 top locked
X28 "CON-MM-823-22-006-10-000101" T_MILL-MAX_823-22-006-10-000101 117.572,97.947 r0 top locked
X29 "61729-0010BLF" T_FCI_61729-0010BLF 200,26.924 r0 top locked
X30 "CON-GCT-USB3105-30-A" T_GCT_USB3105-30-A 173.736,18.971 r270 top
X31 "896-43-008-90-000000" T_MMMC_896-43-008-90-000000 200,40.386 r90 top locked
X32 "896-43-008-90-000000" T_MMMC_896-43-008-90-000000 200,67.056 r90 top locked
X33 "TB5102PRB-H" T_AUK_TB5102PRB-H 0,178.562 r270 top
X34 "FH12-40S-0.5SV(55)" T_HIROSE_FH12-40S-0.5SV(55) 159.766,187.96 r0 top locked
X35 "RAPC722X" T_DCJ20-0014TB-L 0,186.28 r270 top
X36 "IF-Vishay-TFDU4101" T_VISHAY_TFDU4101 5.842,4.826 r0 top
X37 "826936-5" T_TYCO_826936-5 86.36,195.58 r180 top
X38 "SSW-102-01-G-S" T_SAMTEC_SSW-102-01-G-S 43.18,114.3 r90 top

## Footprints (in the part's own frame and the unit in brackets; to place one, negate y for a bottom-side part, rotate by r counter-clockwise, add the part's x,y. Pads: shape width x height; smd on the part's side, far side on the other; paste and mask are expansions set on the pad)
CAPC1005X60N [mm]
  rect 0.58x0.66 smd: 1(-0.49,0) 2(0.49,0)
  body extent -0.55,-0.3 0.55,0.3, height 0.5
CAPC3225X160N [mm]
  rect 1.15x2.7 smd: 1(-1.5,0) 2(1.5,0)
  silkscreen extent -0.55,-1.25 0.55,1.25, body extent -1.7,-1.35 1.7,1.35, height 1.9
CAPMP3528X210N [mm]
  rect 1.8x2.25 smd: 1(-1.45,0) 2(1.45,0)
  silkscreen extent -2.24,-1.6 0,1.3, body extent -1.85,-1.5 1.85,1.5, height 1.9
CAPMP6032X280N [mm] "Cap Polarized 6032"
  rect 1.8x2.3 smd: 1(-2.45,0) 2(2.45,0)
  silkscreen extent -3.94,-1.6 0,1.6, body extent -3.15,-1.75 3.15,1.75, height 2.8
CAPMP7343X310N [mm]
  rect 2.35x2.45 smd: 1(-3.1,0) 2(3.1,0)
  silkscreen extent -4.3,-2.15 3.65,2.15, body extent -3.8,-2.3 3.8,2.3, height 2.8
INDC1608X95N [mm]
  rect 0.87x1 smd: 1(-0.84,0) 2(0.84,0)
  body extent -0.87,-0.48 0.87,0.48, height 0.6
INDC2013X130N [mm]
  rect 1.2x1.45 smd: 1(-0.85,0) 2(0.85,0)
  body extent -1.1,-0.72 1.1,0.72, height 0.9
PCB [mm] "PCB Holes"
  round 7.5 hole 3.2: ""(15,195) ""(15,5) ""(58.42,71.12) ""(144.78,165.608) ""(185,195) ""(185,5)
  Keep-Out Layer lines w0.01: 1,1 1,199 199,199 199,1 1,1
QFN50P500X500X100-33N [mm]
  oval 0.9x0.3 smd: 1(-2.45,1.75) 2(-2.45,1.25) 3(-2.45,0.75) 4(-2.45,0.25) 5(-2.45,-0.25) 6(-2.45,-0.75) 7(-2.45,-1.25) 8(-2.45,-1.75) 17(2.45,-1.75) 18(2.45,-1.25) 19(2.45,-0.75) 20(2.45,-0.25) 21(2.45,0.25) 22(2.45,0.75) 23(2.45,1.25) 24(2.45,1.75)
  oval 0.3x0.9 smd: 9(-1.75,-2.45) 10(-1.25,-2.45) 11(-0.75,-2.45) 12(-0.25,-2.45) 13(0.25,-2.45) 14(0.75,-2.45) 15(1.25,-2.45) 16(1.75,-2.45) 25(1.75,2.45) 26(1.25,2.45) 27(0.75,2.45) 28(0.25,2.45) 29(-0.25,2.45) 30(-0.75,2.45) 31(-1.25,2.45) 32(-1.75,2.45)
  rect 3.25x3.25 smd paste-0.595: 33(0,0)
  silkscreen extent -3.63,-2.5 2.5,2.5, body extent -2.58,-2.58 2.58,2.58, height 1